# EAGLE board working (EAGLE 9.6.2), part 24 of 28
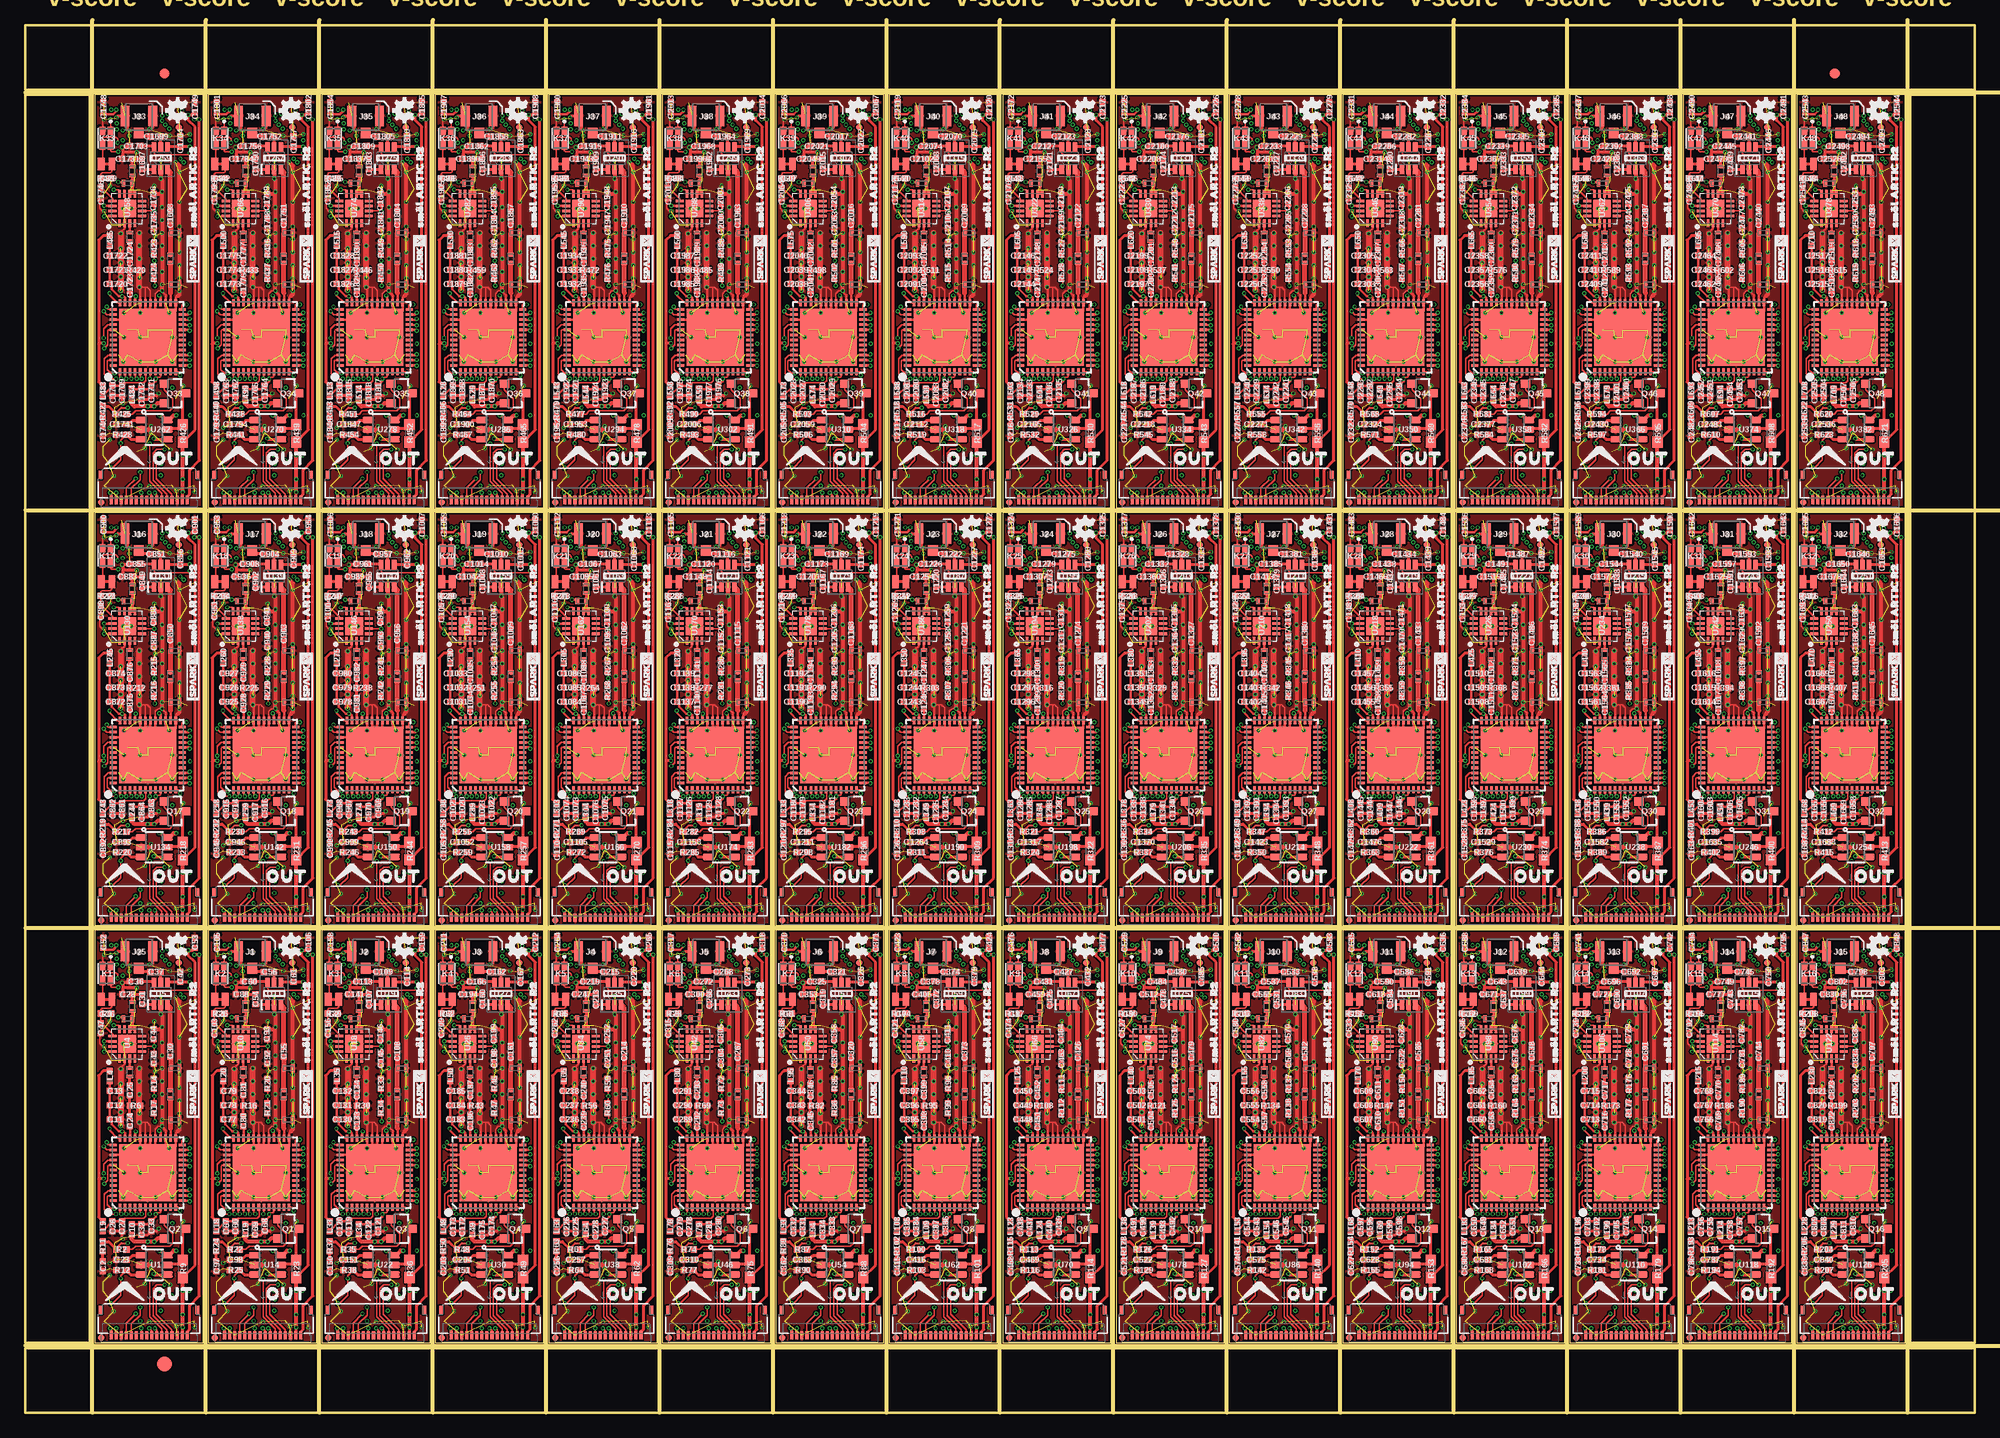
[diagram p0: board, top side]
## Tracks (layer width: path | path; a pad name or v marks a point on that pad's centre or on a via) (continued)
PD25  (via drill 0.2) (continued)
  Top 0.152: C1365.1 113.28,77.86 v113.28,77.22 113.28,76.57 C1364.2 | R333.2 113.28,71.68 v113.28,72.33 113.28,72.97 R332.2 | U202.6 v113.28,77.22
  Top 0.254: U202.6 | 113.17,76.46 C1364.2 | v113.28,77.22
  Route15 0.152: v113.28,77.22 112.94,76.87 112.94,72.67 v113.28,72.33
PD26  (via drill 0.2)
  Top 0.152: C1418.1 124.46,77.86 v124.46,77.22 124.46,76.57 C1417.2 | R346.2 124.46,71.68 v124.46,72.33 124.46,72.97 R345.2 | U210.6 v124.46,77.22
  Top 0.254: U210.6 | 124.34,76.46 C1417.2 | v124.46,77.22
  Route15 0.152: v124.46,77.22 124.12,76.87 124.12,72.67 v124.46,72.33
PD27  (via drill 0.2)
  Top 0.152: C1471.1 135.64,77.86 v135.64,77.22 135.64,76.57 C1470.2 | R359.2 135.64,71.68 v135.64,72.33 135.64,72.97 R358.2 | U218.6 v135.63,77.22
  Top 0.254: U218.6 | 135.52,76.46 C1470.2 | v135.63,77.22 v135.64,77.22
  Route15 0.152: v135.64,77.22 135.29,76.87 135.29,72.67 v135.64,72.33
PD28  (via drill 0.2)
  Top 0.152: C1524.1 146.81,77.86 v146.81,77.22 146.81,76.57 C1523.2 | R372.2 146.81,71.68 v146.81,72.33 146.81,72.97 R371.2 | U226.6 v146.81,77.22
  Top 0.254: U226.6 | 146.7,76.46 C1523.2 | v146.81,77.22
  Route15 0.152: v146.81,77.22 146.47,76.87 146.47,72.67 v146.81,72.33
PD29  (via drill 0.2)
  Top 0.152: C1577.1 157.99,77.86 v157.99,77.22 157.99,76.57 C1576.2 | R385.2 157.99,71.68 v157.99,72.33 157.99,72.97 R384.2 | U234.6 v157.98,77.22
  Top 0.254: U234.6 | 157.87,76.46 C1576.2 | v157.98,77.22 v157.99,77.22
  Route15 0.152: v157.99,77.22 157.65,76.87 157.65,72.67 v157.99,72.33
PD30  (via drill 0.2)
  Top 0.152: C1630.1 169.16,77.86 v169.16,77.22 169.16,76.57 C1629.2 | R398.2 169.16,71.68 v169.16,72.33 169.16,72.97 R397.2 | U242.6 v169.16,77.22
  Top 0.254: U242.6 | 169.05,76.46 C1629.2 | v169.16,77.22
  Route15 0.152: v169.16,77.22 168.82,76.87 168.82,72.67 v169.16,72.33
PD31  (via drill 0.2)
  Top 0.152: C1683.1 180.34,77.86 v180.34,77.22 180.34,76.57 C1682.2 | R411.2 180.34,71.68 v180.34,72.33 180.34,72.97 R410.2 | U250.6 v180.34,77.22
  Top 0.254: U250.6 | 180.22,76.46 C1682.2 | v180.34,77.22
  Route15 0.152: v180.34,77.22 180,76.87 180,72.67 v180.34,72.33
PD32  (via drill 0.2)
  Top 0.152: C1736.1 12.7,119.01 v12.7,118.36 12.7,117.72 C1735.2 | R424.2 12.7,112.83 v12.7,113.48 12.7,114.12 R423.2 | U258.6 v12.7,118.37
  Top 0.254: U258.6 | 12.59,117.61 C1735.2 | v12.7,118.37 v12.7,118.36
  Route15 0.152: v12.7,118.36 12.36,118.02 12.36,113.82 v12.7,113.48
PD33  (via drill 0.2)
  Top 0.152: C1789.1 23.88,119.01 v23.88,118.36 23.88,117.72 C1788.2 | R437.2 23.88,112.83 v23.88,113.48 23.88,114.12 R436.2 | U266.6 v23.87,118.37
  Top 0.254: U266.6 | 23.76,117.61 C1788.2 | v23.87,118.37 v23.88,118.36
  Route15 0.152: v23.88,118.36 23.53,118.02 23.53,113.82 v23.88,113.48
PD34  (via drill 0.2)
  Top 0.152: C1842.1 35.05,119.01 v35.05,118.36 35.05,117.72 C1841.2 | R450.2 35.05,112.83 v35.05,113.48 35.05,114.12 R449.2 | U274.6 v35.05,118.37
  Top 0.254: U274.6 | 34.94,117.61 C1841.2 | v35.05,118.37 v35.05,118.36
  Route15 0.152: v35.05,118.36 34.71,118.02 34.71,113.82 v35.05,113.48
PD35  (via drill 0.2)
  Top 0.152: C1895.1 46.23,119.01 v46.23,118.36 46.23,117.72 C1894.2 | R463.2 46.23,112.83 v46.23,113.48 46.23,114.12 R462.2 | U282.6 v46.22,118.37
  Top 0.254: U282.6 | 46.11,117.61 C1894.2 | v46.22,118.37 v46.23,118.36
  Route15 0.152: v46.23,118.36 45.88,118.02 45.88,113.82 v46.23,113.48
PD36  (via drill 0.2)
  Top 0.152: C1948.1 57.4,119.01 v57.4,118.36 57.4,117.72 C1947.2 | R476.2 57.4,112.83 v57.4,113.48 57.4,114.12 R475.2 | U290.6 v57.4,118.37
  Top 0.254: U290.6 | 57.29,117.61 C1947.2 | v57.4,118.37 v57.4,118.36
  Route15 0.152: v57.4,118.36 57.06,118.02 57.06,113.82 v57.4,113.48
PD37  (via drill 0.2)
  Top 0.152: C2001.1 68.58,119.01 v68.58,118.36 68.58,117.72 C2000.2 | R489.2 68.58,112.83 v68.58,113.48 68.58,114.12 R488.2 | U298.6 v68.58,118.37
  Top 0.254: U298.6 | 68.47,117.61 C2000.2 | v68.58,118.37 v68.58,118.36
  Route15 0.152: v68.58,118.36 68.24,118.02 68.24,113.82 v68.58,113.48
PD38  (via drill 0.2)
  Top 0.152: C2054.1 79.76,119.01 v79.76,118.36 79.76,117.72 C2053.2 | R502.2 79.76,112.83 v79.76,113.48 79.76,114.12 R501.2 | U306.6 v79.75,118.37
  Top 0.254: U306.6 | 79.64,117.61 C2053.2 | v79.75,118.37 v79.76,118.36
  Route15 0.152: v79.76,118.36 79.41,118.02 79.41,113.82 v79.76,113.48
PD39  (via drill 0.2)
  Top 0.152: C2107.1 90.93,119.01 v90.93,118.36 90.93,117.72 C2106.2 | R515.2 90.93,112.83 v90.93,113.48 90.93,114.12 R514.2 | U314.6 v90.93,118.37
  Top 0.254: U314.6 | 90.82,117.61 C2106.2 | v90.93,118.37 v90.93,118.36
  Route15 0.152: v90.93,118.36 90.59,118.02 90.59,113.82 v90.93,113.48
PD40  (via drill 0.2)
  Top 0.152: C2160.1 102.11,119.01 v102.11,118.36 102.11,117.72 C2159.2 | R528.2 102.11,112.83 v102.11,113.48 102.11,114.12 R527.2 | U322.6 v102.1,118.37
  Top 0.254: U322.6 | 101.99,117.61 C2159.2 | v102.1,118.37 v102.11,118.36
  Route15 0.152: v102.11,118.36 101.77,118.02 101.77,113.82 v102.11,113.48
PD41  (via drill 0.2)
  Top 0.152: C2213.1 113.28,119.01 v113.28,118.36 113.28,117.72 C2212.2 | R541.2 113.28,112.83 v113.28,113.48 113.28,114.12 R540.2 | U330.6 v113.28,118.37
  Top 0.254: U330.6 | 113.17,117.61 C2212.2 | v113.28,118.37 v113.28,118.36
  Route15 0.152: v113.28,118.36 112.94,118.02 112.94,113.82 v113.28,113.48
PD42  (via drill 0.2)
  Top 0.152: C2266.1 124.46,119.01 v124.46,118.36 124.46,117.72 C2265.2 | R554.2 124.46,112.83 v124.46,113.48 124.46,114.12 R553.2 | U338.6 v124.46,118.37
  Top 0.254: U338.6 | 124.34,117.61 C2265.2 | v124.46,118.37 v124.46,118.36
  Route15 0.152: v124.46,118.36 124.12,118.02 124.12,113.82 v124.46,113.48
PD43  (via drill 0.2)
  Top 0.152: C2319.1 135.64,119.01 v135.64,118.36 135.64,117.72 C2318.2 | R567.2 135.64,112.83 v135.64,113.48 135.64,114.12 R566.2 | U346.6 v135.63,118.37
  Top 0.254: U346.6 | 135.52,117.61 C2318.2 | v135.63,118.37 v135.64,118.36
  Route15 0.152: v135.64,118.36 135.29,118.02 135.29,113.82 v135.64,113.48
PD44  (via drill 0.2)
  Top 0.152: C2372.1 146.81,119.01 v146.81,118.36 146.81,117.72 C2371.2 | R580.2 146.81,112.83 v146.81,113.48 146.81,114.12 R579.2 | U354.6 v146.81,118.37
  Top 0.254: U354.6 | 146.7,117.61 C2371.2 | v146.81,118.37 v146.81,118.36
  Route15 0.152: v146.81,118.36 146.47,118.02 146.47,113.82 v146.81,113.48
PD45  (via drill 0.2)
  Top 0.152: C2425.1 157.99,119.01 v157.99,118.36 157.99,117.72 C2424.2 | R593.2 157.99,112.83 v157.99,113.48 157.99,114.12 R592.2 | U362.6 v157.98,118.37
  Top 0.254: U362.6 | 157.87,117.61 C2424.2 | v157.98,118.37 v157.99,118.36
  Route15 0.152: v157.99,118.36 157.65,118.02 157.65,113.82 v157.99,113.48
PD46  (via drill 0.2)
  Top 0.152: C2478.1 169.16,119.01 v169.16,118.36 169.16,117.72 C2477.2 | R606.2 169.16,112.83 v169.16,113.48 169.16,114.12 R605.2 | U370.6 v169.16,118.37
  Top 0.254: U370.6 | 169.05,117.61 C2477.2 | v169.16,118.37 v169.16,118.36
  Route15 0.152: v169.16,118.36 168.82,118.02 168.82,113.82 v169.16,113.48
PD47  (via drill 0.2)
  Top 0.152: C2531.1 180.34,119.01 v180.34,118.36 180.34,117.72 C2530.2 | R619.2 180.34,112.83 v180.34,113.48 180.34,114.12 R618.2 | U378.6 v180.34,118.37
  Top 0.254: U378.6 | 180.22,117.61 C2530.2 | v180.34,118.37 v180.34,118.36
  Route15 0.152: v180.34,118.36 180,118.02 180,113.82 v180.34,113.48
PROC_PWR_EN  (via drill 0.2)
  Top 0.305: OUT.1 15.94,7.94 16.19,8.19 16.19,10.54 17.14,11.49 v17.14,45.08 v16.64,45.08
  Bottom 0.305: v17.14,45.08 16.89,45.08 | 16.89,45.08 v16.64,45.08 | IN.1 15.94,46.16 16.07,46.04 16.64,46.04 16.89,45.78 16.89,45.08
PROC_PWR_EN1  (via drill 0.2)
  Top 0.305: OUT1.1 27.12,7.94 27.37,8.19 27.37,10.54 28.32,11.49 v28.32,45.08 v27.81,45.08
  Bottom 0.305: v28.32,45.08 28.07,45.08 | 28.07,45.08 v27.81,45.08 | IN1.1 27.12,46.16 27.24,46.04 27.81,46.04 28.07,45.78 28.07,45.08
PROC_PWR_EN2  (via drill 0.2)
  Top 0.305: OUT2.1 38.29,7.94 38.54,8.19 38.54,10.54 39.5,11.49 v39.5,45.08 v38.99,45.08
  Bottom 0.305: v39.5,45.08 39.24,45.08 | 39.24,45.08 v38.99,45.08 | IN2.1 38.29,46.16 38.42,46.04 38.99,46.04 39.24,45.78 39.24,45.08
PROC_PWR_EN3  (via drill 0.2)
  Top 0.305: OUT3.1 49.47,7.94 49.72,8.19 49.72,10.54 50.67,11.49 v50.67,45.08 v50.16,45.08
  Bottom 0.305: v50.67,45.08 50.42,45.08 | 50.42,45.08 v50.16,45.08 | IN3.1 49.47,46.16 49.59,46.04 50.16,46.04 50.42,45.78 50.42,45.08
PROC_PWR_EN4  (via drill 0.2)
  Top 0.305: OUT4.1 60.65,7.94 60.9,8.19 60.9,10.54 61.85,11.49 v61.85,45.08 v61.34,45.08
  Bottom 0.305: v61.85,45.08 61.59,45.08 | 61.59,45.08 v61.34,45.08 | IN4.1 60.65,46.16 60.77,46.04 61.34,46.04 61.59,45.78 61.59,45.08
PROC_PWR_EN5  (via drill 0.2)
  Top 0.305: OUT5.1 71.82,7.94 72.07,8.19 72.07,10.54 73.03,11.49 v73.03,45.08 v72.52,45.08
  Bottom 0.305: v73.03,45.08 72.77,45.08 | 72.77,45.08 v72.52,45.08 | IN5.1 71.82,46.16 71.95,46.04 72.52,46.04 72.77,45.78 72.77,45.08
PROC_PWR_EN6  (via drill 0.2)
  Top 0.305: OUT6.1 83,7.94 83.25,8.19 83.25,10.54 84.2,11.49 v84.2,45.08 v83.69,45.08
  Bottom 0.305: v84.2,45.08 83.95,45.08 | 83.95,45.08 v83.69,45.08 | IN6.1 83,46.16 83.12,46.04 83.69,46.04 83.95,45.78 83.95,45.08
PROC_PWR_EN7  (via drill 0.2)
  Top 0.305: OUT7.1 94.17,7.94 94.42,8.19 94.42,10.54 95.38,11.49 v95.38,45.08 v94.87,45.08
  Bottom 0.305: v95.38,45.08 95.12,45.08 | 95.12,45.08 v94.87,45.08 | IN7.1 94.17,46.16 94.3,46.04 94.87,46.04 95.12,45.78 95.12,45.08
PROC_PWR_EN8  (via drill 0.2)
  Top 0.305: OUT8.1 105.35,7.94 105.6,8.19 105.6,10.54 106.55,11.49 v106.55,45.08 v106.05,45.08
  Bottom 0.305: v106.55,45.08 106.3,45.08 | 106.3,45.08 v106.05,45.08 | IN8.1 105.35,46.16 105.47,46.04 106.05,46.04 106.3,45.78 106.3,45.08
PROC_PWR_EN9  (via drill 0.2)
  Top 0.305: OUT9.1 116.53,7.94 116.78,8.19 116.78,10.54 117.73,11.49 v117.73,45.08 v117.22,45.08
  Bottom 0.305: v117.73,45.08 117.48,45.08 | 117.48,45.08 v117.22,45.08 | IN9.1 116.53,46.16 116.65,46.04 117.22,46.04 117.48,45.78 117.48,45.08
PROC_PWR_EN10  (via drill 0.2)
  Top 0.305: OUT10.1 127.7,7.94 127.95,8.19 127.95,10.54 128.91,11.49 v128.91,45.08 v128.4,45.08
  Bottom 0.305: v128.91,45.08 128.65,45.08 | 128.65,45.08 v128.4,45.08 | IN10.1 127.7,46.16 127.83,46.04 128.4,46.04 128.65,45.78 128.65,45.08
PROC_PWR_EN11  (via drill 0.2)
  Top 0.305: OUT11.1 138.88,7.94 139.13,8.19 139.13,10.54 140.08,11.49 v140.08,45.08 v139.57,45.08
  Bottom 0.305: v140.08,45.08 139.83,45.08 | 139.83,45.08 v139.57,45.08 | IN11.1 138.88,46.16 139,46.04 139.57,46.04 139.83,45.78 139.83,45.08
PROC_PWR_EN12  (via drill 0.2)
  Top 0.305: OUT12.1 150.05,7.94 150.3,8.19 150.3,10.54 151.26,11.49 v151.26,45.08 v150.75,45.08
  Bottom 0.305: v151.26,45.08 151,45.08 | 151,45.08 v150.75,45.08 | IN12.1 150.05,46.16 150.18,46.04 150.75,46.04 151,45.78 151,45.08
PROC_PWR_EN13  (via drill 0.2)
  Top 0.305: OUT13.1 161.23,7.94 161.48,8.19 161.48,10.54 162.43,11.49 v162.43,45.08 v161.93,45.08
  Bottom 0.305: v162.43,45.08 162.18,45.08 | 162.18,45.08 v161.93,45.08 | IN13.1 161.23,46.16 161.35,46.04 161.93,46.04 162.18,45.78 162.18,45.08
PROC_PWR_EN14  (via drill 0.2)
  Top 0.305: OUT14.1 172.41,7.94 172.66,8.19 172.66,10.54 173.61,11.49 v173.61,45.08 v173.1,45.08
  Bottom 0.305: v173.61,45.08 173.36,45.08 | 173.36,45.08 v173.1,45.08 | IN14.1 172.41,46.16 172.53,46.04 173.1,46.04 173.36,45.78 173.36,45.08
PROC_PWR_EN15  (via drill 0.2)
  Top 0.305: OUT15.1 183.58,7.94 183.83,8.19 183.83,10.54 184.78,11.49 v184.78,45.08 v184.28,45.08
  Bottom 0.305: v184.78,45.08 184.53,45.08 | 184.53,45.08 v184.28,45.08 | IN15.1 183.58,46.16 183.71,46.04 184.28,46.04 184.53,45.78 184.53,45.08
PROC_PWR_EN16  (via drill 0.2)
  Top 0.305: OUT16.1 15.94,49.09 16.19,49.34 16.19,51.69 17.14,52.64 v17.14,86.23 v16.64,86.23
  Bottom 0.305: v17.14,86.23 16.89,86.23 | 16.89,86.23 v16.64,86.23 | IN16.1 15.94,87.31 16.07,87.19 16.64,87.19 16.89,86.93 16.89,86.23
PROC_PWR_EN17  (via drill 0.2)
  Top 0.305: OUT17.1 27.12,49.09 27.37,49.34 27.37,51.69 28.32,52.64 v28.32,86.23 v27.81,86.23
  Bottom 0.305: v28.32,86.23 28.07,86.23 | 28.07,86.23 v27.81,86.23 | IN17.1 27.12,87.31 27.24,87.19 27.81,87.19 28.07,86.93 28.07,86.23
PROC_PWR_EN18  (via drill 0.2)
  Top 0.305: OUT18.1 38.29,49.09 38.54,49.34 38.54,51.69 39.5,52.64 v39.5,86.23 v38.99,86.23
  Bottom 0.305: v39.5,86.23 39.24,86.23 | 39.24,86.23 v38.99,86.23 | IN18.1 38.29,87.31 38.42,87.19 38.99,87.19 39.24,86.93 39.24,86.23
PROC_PWR_EN19  (via drill 0.2)
  Top 0.305: OUT19.1 49.47,49.09 49.72,49.34 49.72,51.69 50.67,52.64 v50.67,86.23 v50.16,86.23
  Bottom 0.305: v50.67,86.23 50.42,86.23 | 50.42,86.23 v50.16,86.23 | IN19.1 49.47,87.31 49.59,87.19 50.16,87.19 50.42,86.93 50.42,86.23
PROC_PWR_EN20  (via drill 0.2)
  Top 0.305: OUT20.1 60.65,49.09 60.9,49.34 60.9,51.69 61.85,52.64 v61.85,86.23 v61.34,86.23
  Bottom 0.305: v61.85,86.23 61.59,86.23 | 61.59,86.23 v61.34,86.23 | IN20.1 60.65,87.31 60.77,87.19 61.34,87.19 61.59,86.93 61.59,86.23
PROC_PWR_EN21  (via drill 0.2)
  Top 0.305: OUT21.1 71.82,49.09 72.07,49.34 72.07,51.69 73.03,52.64 v73.03,86.23 v72.52,86.23
  Bottom 0.305: v73.03,86.23 72.77,86.23 | 72.77,86.23 v72.52,86.23 | IN21.1 71.82,87.31 71.95,87.19 72.52,87.19 72.77,86.93 72.77,86.23
PROC_PWR_EN22  (via drill 0.2)
  Top 0.305: OUT22.1 83,49.09 83.25,49.34 83.25,51.69 84.2,52.64 v84.2,86.23 v83.69,86.23
  Bottom 0.305: v84.2,86.23 83.95,86.23 | 83.95,86.23 v83.69,86.23 | IN22.1 83,87.31 83.12,87.19 83.69,87.19 83.95,86.93 83.95,86.23
PROC_PWR_EN23  (via drill 0.2)
  Top 0.305: OUT23.1 94.17,49.09 94.42,49.34 94.42,51.69 95.38,52.64 v95.38,86.23 v94.87,86.23
  Bottom 0.305: v95.38,86.23 95.12,86.23 | 95.12,86.23 v94.87,86.23 | IN23.1 94.17,87.31 94.3,87.19 94.87,87.19 95.12,86.93 95.12,86.23
PROC_PWR_EN24  (via drill 0.2)
  Top 0.305: OUT24.1 105.35,49.09 105.6,49.34 105.6,51.69 106.55,52.64 v106.55,86.23 v106.05,86.23
  Bottom 0.305: v106.55,86.23 106.3,86.23 | 106.3,86.23 v106.05,86.23 | IN24.1 105.35,87.31 105.47,87.19 106.05,87.19 106.3,86.93 106.3,86.23
PROC_PWR_EN25  (via drill 0.2)
  Top 0.305: OUT25.1 116.53,49.09 116.78,49.34 116.78,51.69 117.73,52.64 v117.73,86.23 v117.22,86.23
  Bottom 0.305: v117.73,86.23 117.48,86.23 | 117.48,86.23 v117.22,86.23 | IN25.1 116.53,87.31 116.65,87.19 117.22,87.19 117.48,86.93 117.48,86.23
PROC_PWR_EN26  (via drill 0.2)
  Top 0.305: OUT26.1 127.7,49.09 127.95,49.34 127.95,51.69 128.91,52.64 v128.91,86.23 v128.4,86.23
  Bottom 0.305: v128.91,86.23 128.65,86.23 | 128.65,86.23 v128.4,86.23 | IN26.1 127.7,87.31 127.83,87.19 128.4,87.19 128.65,86.93 128.65,86.23
PROC_PWR_EN27  (via drill 0.2)
  Top 0.305: OUT27.1 138.88,49.09 139.13,49.34 139.13,51.69 140.08,52.64 v140.08,86.23 v139.57,86.23
  Bottom 0.305: v140.08,86.23 139.83,86.23 | 139.83,86.23 v139.57,86.23 | IN27.1 138.88,87.31 139,87.19 139.57,87.19 139.83,86.93 139.83,86.23
PROC_PWR_EN28  (via drill 0.2)
  Top 0.305: OUT28.1 150.05,49.09 150.3,49.34 150.3,51.69 151.26,52.64 v151.26,86.23 v150.75,86.23
  Bottom 0.305: v151.26,86.23 151,86.23 | 151,86.23 v150.75,86.23 | IN28.1 150.05,87.31 150.18,87.19 150.75,87.19 151,86.93 151,86.23
PROC_PWR_EN29  (via drill 0.2)
  Top 0.305: OUT29.1 161.23,49.09 161.48,49.34 161.48,51.69 162.43,52.64 v162.43,86.23 v161.93,86.23
  Bottom 0.305: v162.43,86.23 162.18,86.23 | 162.18,86.23 v161.93,86.23 | IN29.1 161.23,87.31 161.35,87.19 161.93,87.19 162.18,86.93 162.18,86.23
PROC_PWR_EN30  (via drill 0.2)
  Top 0.305: OUT30.1 172.41,49.09 172.66,49.34 172.66,51.69 173.61,52.64 v173.61,86.23 v173.1,86.23
  Bottom 0.305: v173.61,86.23 173.36,86.23 | 173.36,86.23 v173.1,86.23 | IN30.1 172.41,87.31 172.53,87.19 173.1,87.19 173.36,86.93 173.36,86.23
PROC_PWR_EN31  (via drill 0.2)
  Top 0.305: OUT31.1 183.58,49.09 183.83,49.34 183.83,51.69 184.78,52.64 v184.78,86.23 v184.28,86.23
  Bottom 0.305: v184.78,86.23 184.53,86.23 | 184.53,86.23 v184.28,86.23 | IN31.1 183.58,87.31 183.71,87.19 184.28,87.19 184.53,86.93 184.53,86.23
PROC_PWR_EN32  (via drill 0.2)
  Top 0.305: OUT32.1 15.94,90.24 16.19,90.49 16.19,92.84 17.14,93.79 v17.14,127.38 v16.64,127.38
  Bottom 0.305: v17.14,127.38 16.89,127.38 | 16.89,127.38 v16.64,127.38 | IN32.1 15.94,128.46 16.07,128.33 16.64,128.33 16.89,128.08 16.89,127.38
PROC_PWR_EN33  (via drill 0.2)
  Top 0.305: OUT33.1 27.12,90.24 27.37,90.49 27.37,92.84 28.32,93.79 v28.32,127.38 v27.81,127.38
  Bottom 0.305: v28.32,127.38 28.07,127.38 | 28.07,127.38 v27.81,127.38 | IN33.1 27.12,128.46 27.24,128.33 27.81,128.33 28.07,128.08 28.07,127.38
PROC_PWR_EN34  (via drill 0.2)
  Top 0.305: OUT34.1 38.29,90.24 38.54,90.49 38.54,92.84 39.5,93.79 v39.5,127.38 v38.99,127.38
  Bottom 0.305: v39.5,127.38 39.24,127.38 | 39.24,127.38 v38.99,127.38 | IN34.1 38.29,128.46 38.42,128.33 38.99,128.33 39.24,128.08 39.24,127.38
PROC_PWR_EN35  (via drill 0.2)
  Top 0.305: OUT35.1 49.47,90.24 49.72,90.49 49.72,92.84 50.67,93.79 v50.67,127.38 v50.16,127.38
  Bottom 0.305: v50.67,127.38 50.42,127.38 | 50.42,127.38 v50.16,127.38 | IN35.1 49.47,128.46 49.59,128.33 50.16,128.33 50.42,128.08 50.42,127.38
PROC_PWR_EN36  (via drill 0.2)
  Top 0.305: OUT36.1 60.65,90.24 60.9,90.49 60.9,92.84 61.85,93.79 v61.85,127.38 v61.34,127.38
  Bottom 0.305: v61.85,127.38 61.59,127.38 | 61.59,127.38 v61.34,127.38 | IN36.1 60.65,128.46 60.77,128.33 61.34,128.33 61.59,128.08 61.59,127.38
PROC_PWR_EN37  (via drill 0.2)
  Top 0.305: OUT37.1 71.82,90.24 72.07,90.49 72.07,92.84 73.03,93.79 v73.03,127.38 v72.52,127.38
  Bottom 0.305: v73.03,127.38 72.77,127.38 | 72.77,127.38 v72.52,127.38 | IN37.1 71.82,128.46 71.95,128.33 72.52,128.33 72.77,128.08 72.77,127.38
PROC_PWR_EN38  (via drill 0.2)
  Top 0.305: OUT38.1 83,90.24 83.25,90.49 83.25,92.84 84.2,93.79 v84.2,127.38 v83.69,127.38
  Bottom 0.305: v84.2,127.38 83.95,127.38 | 83.95,127.38 v83.69,127.38 | IN38.1 83,128.46 83.12,128.33 83.69,128.33 83.95,128.08 83.95,127.38
PROC_PWR_EN39  (via drill 0.2)
  Top 0.305: OUT39.1 94.17,90.24 94.42,90.49 94.42,92.84 95.38,93.79 v95.38,127.38 v94.87,127.38
  Bottom 0.305: v95.38,127.38 95.12,127.38 | 95.12,127.38 v94.87,127.38 | IN39.1 94.17,128.46 94.3,128.33 94.87,128.33 95.12,128.08 95.12,127.38
PROC_PWR_EN40  (via drill 0.2)
  Top 0.305: OUT40.1 105.35,90.24 105.6,90.49 105.6,92.84 106.55,93.79 v106.55,127.38 v106.05,127.38
  Bottom 0.305: v106.55,127.38 106.3,127.38 | 106.3,127.38 v106.05,127.38 | IN40.1 105.35,128.46 105.47,128.33 106.05,128.33 106.3,128.08 106.3,127.38
PROC_PWR_EN41  (via drill 0.2)
  Top 0.305: OUT41.1 116.53,90.24 116.78,90.49 116.78,92.84 117.73,93.79 v117.73,127.38 v117.22,127.38
  Bottom 0.305: v117.73,127.38 117.48,127.38 | 117.48,127.38 v117.22,127.38 | IN41.1 116.53,128.46 116.65,128.33 117.22,128.33 117.48,128.08 117.48,127.38
PROC_PWR_EN42  (via drill 0.2)
  Top 0.305: OUT42.1 127.7,90.24 127.95,90.49 127.95,92.84 128.91,93.79 v128.91,127.38 v128.4,127.38
  Bottom 0.305: v128.91,127.38 128.65,127.38 | 128.65,127.38 v128.4,127.38 | IN42.1 127.7,128.46 127.83,128.33 128.4,128.33 128.65,128.08 128.65,127.38
PROC_PWR_EN43  (via drill 0.2)
  Top 0.305: OUT43.1 138.88,90.24 139.13,90.49 139.13,92.84 140.08,93.79 v140.08,127.38 v139.57,127.38
  Bottom 0.305: v140.08,127.38 139.83,127.38 | 139.83,127.38 v139.57,127.38 | IN43.1 138.88,128.46 139,128.33 139.57,128.33 139.83,128.08 139.83,127.38
PROC_PWR_EN44  (via drill 0.2)
  Top 0.305: OUT44.1 150.05,90.24 150.3,90.49 150.3,92.84 151.26,93.79 v151.26,127.38 v150.75,127.38
  Bottom 0.305: v151.26,127.38 151,127.38 | 151,127.38 v150.75,127.38 | IN44.1 150.05,128.46 150.18,128.33 150.75,128.33 151,128.08 151,127.38
PROC_PWR_EN45  (via drill 0.2)
  Top 0.305: OUT45.1 161.23,90.24 161.48,90.49 161.48,92.84 162.43,93.79 v162.43,127.38 v161.93,127.38
  Bottom 0.305: v162.43,127.38 162.18,127.38 | 162.18,127.38 v161.93,127.38 | IN45.1 161.23,128.46 161.35,128.33 161.93,128.33 162.18,128.08 162.18,127.38
PROC_PWR_EN46  (via drill 0.2)
  Top 0.305: OUT46.1 172.41,90.24 172.66,90.49 172.66,92.84 173.61,93.79 v173.61,127.38 v173.1,127.38
  Bottom 0.305: v173.61,127.38 173.36,127.38 | 173.36,127.38 v173.1,127.38 | IN46.1 172.41,128.46 172.53,128.33 173.1,128.33 173.36,128.08 173.36,127.38
PROC_PWR_EN47  (via drill 0.2)
  Top 0.305: OUT47.1 183.58,90.24 183.83,90.49 183.83,92.84 184.78,93.79 v184.78,127.38 v184.28,127.38
  Bottom 0.305: v184.78,127.38 184.53,127.38 | 184.53,127.38 v184.28,127.38 | IN47.1 183.58,128.46 183.71,128.33 184.28,128.33 184.53,128.08 184.53,127.38
RESETB  (via drill 0.2)
  Top 0.152: U3.1 9.31,19.68 v9.44,19.56
  Route15 0.127: v9.44,19.56 9.44,19.27 10.61,18.1 10.61,12.27 11.24,11.63 13.89,11.63 14.03,11.49 v14.41,11.49
  Bottom 0.152: U8.1 14.44,11.47 v14.41,11.49 | v9.44,19.56 9.44,18.83 R8.2
RESETB1  (via drill 0.2)
  Top 0.152: U9.1 20.49,19.68 v20.61,19.56
  Route15 0.127: v20.61,19.56 20.61,19.27 21.78,18.1 21.78,12.27 22.42,11.63 25.07,11.63 25.21,11.49 v25.59,11.49
  Bottom 0.152: U16.1 25.62,11.47 v25.59,11.49 | v20.61,19.56 20.61,18.83 R10.2
RESETB2  (via drill 0.2)
  Top 0.152: U17.1 31.67,19.68 v31.79,19.56
  Route15 0.127: v31.79,19.56 31.79,19.27 32.96,18.1 32.96,12.27 33.59,11.63 36.25,11.63 36.38,11.49 v36.77,11.49
  Bottom 0.152: U24.1 36.79,11.47 v36.77,11.49 | v31.79,19.56 31.79,18.83 R27.2
RESETB3  (via drill 0.2)
  Top 0.152: U25.1 42.84,19.68 v42.96,19.56
  Route15 0.127: v42.96,19.56 42.96,19.27 44.13,18.1 44.13,12.27 44.77,11.63 47.42,11.63 47.56,11.49 v47.94,11.49
  Bottom 0.152: U32.1 47.97,11.47 v47.94,11.49 | v42.96,19.56 42.96,18.83 R40.2
RESETB4  (via drill 0.2)
  Top 0.152: U33.1 54.02,19.68 v54.14,19.56
  Route15 0.127: v54.14,19.56 54.14,19.27 55.31,18.1 55.31,12.27 55.95,11.63 58.6,11.63 58.74,11.49 v59.12,11.49
  Bottom 0.152: U40.1 59.15,11.47 v59.12,11.49 | v54.14,19.56 54.14,18.83 R53.2
RESETB5  (via drill 0.2)
  Top 0.152: U41.1 65.2,19.68 v65.32,19.56
  Route15 0.127: v65.32,19.56 65.32,19.27 66.48,18.1 66.48,12.27 67.12,11.63 69.78,11.63 69.91,11.49 v70.3,11.49
  Bottom 0.152: U48.1 70.32,11.47 v70.3,11.49 | v65.32,19.56 65.32,18.83 R66.2
RESETB6  (via drill 0.2)
  Top 0.152: U49.1 76.37,19.68 v76.49,19.56
  Route15 0.127: v76.49,19.56 76.49,19.27 77.66,18.1 77.66,12.27 78.3,11.63 80.95,11.63 81.09,11.49 v81.47,11.49
  Bottom 0.152: U56.1 81.5,11.47 v81.47,11.49 | v76.49,19.56 76.49,18.83 R79.2
RESETB7  (via drill 0.2)
  Top 0.152: U57.1 87.55,19.68 v87.67,19.56
  Route15 0.127: v87.67,19.56 87.67,19.27 88.84,18.1 88.84,12.27 89.48,11.63 92.13,11.63 92.27,11.49 v92.65,11.49
  Bottom 0.152: U64.1 92.67,11.47 v92.65,11.49 | v87.67,19.56 87.67,18.83 R92.2
RESETB8  (via drill 0.2)
  Top 0.152: U65.1 98.72,19.68 v98.84,19.56
  Route15 0.127: v98.84,19.56 98.84,19.27 100.01,18.1 100.01,12.27 100.65,11.63 103.3,11.63 103.44,11.49 v103.82,11.49
  Bottom 0.152: U72.1 103.85,11.47 v103.82,11.49 | v98.84,19.56 98.84,18.83 R105.2
RESETB9  (via drill 0.2)
  Top 0.152: U73.1 109.9,19.68 v110.02,19.56
  Route15 0.127: v110.02,19.56 110.02,19.27 111.19,18.1 111.19,12.27 111.83,11.63 114.48,11.63 114.62,11.49 v115,11.49
  Bottom 0.152: U80.1 115.03,11.47 v115,11.49 | v110.02,19.56 110.02,18.83 R118.2
RESETB10  (via drill 0.2)
  Top 0.152: U81.1 121.08,19.68 v121.2,19.56
  Route15 0.127: v121.2,19.56 121.2,19.27 122.37,18.1 122.37,12.27 123,11.63 125.66,11.63 125.79,11.49 v126.17,11.49
  Bottom 0.152: U88.1 126.2,11.47 v126.17,11.49 | v121.2,19.56 121.2,18.83 R131.2
RESETB11  (via drill 0.2)
  Top 0.152: U89.1 132.25,19.68 v132.37,19.56
  Route15 0.127: v132.37,19.56 132.37,19.27 133.54,18.1 133.54,12.27 134.18,11.63 136.83,11.63 136.97,11.49 v137.35,11.49
  Bottom 0.152: U96.1 137.38,11.47 v137.35,11.49 | v132.37,19.56 132.37,18.83 R144.2
RESETB12  (via drill 0.2)
  Top 0.152: U97.1 143.43,19.68 v143.55,19.56
  Route15 0.127: v143.55,19.56 143.55,19.27 144.72,18.1 144.72,12.27 145.36,11.63 148.01,11.63 148.15,11.49 v148.53,11.49
  Bottom 0.152: U104.1 148.55,11.47 v148.53,11.49 | v143.55,19.56 143.55,18.83 R157.2
RESETB13  (via drill 0.2)
  Top 0.152: U105.1 154.6,19.68 v154.72,19.56
  Route15 0.127: v154.72,19.56 154.72,19.27 155.89,18.1 155.89,12.27 156.53,11.63 159.18,11.63 159.32,11.49 v159.7,11.49
  Bottom 0.152: U112.1 159.73,11.47 v159.7,11.49 | v154.72,19.56 154.72,18.83 R170.2
RESETB14  (via drill 0.2)
  Top 0.152: U113.1 165.78,19.68 v165.9,19.56
  Route15 0.127: v165.9,19.56 165.9,19.27 167.07,18.1 167.07,12.27 167.71,11.63 170.36,11.63 170.5,11.49 v170.88,11.49
  Bottom 0.152: U120.1 170.91,11.47 v170.88,11.49 | v165.9,19.56 165.9,18.83 R183.2
RESETB15  (via drill 0.2)
  Top 0.152: U121.1 176.96,19.68 v177.08,19.56
  Route15 0.127: v177.08,19.56 177.08,19.27 178.25,18.1 178.25,12.27 178.88,11.63 181.53,11.63 181.67,11.49 v182.05,11.49
  Bottom 0.152: U128.1 182.08,11.47 v182.05,11.49 | v177.08,19.56 177.08,18.83 R196.2
RESETB16  (via drill 0.2)
  Top 0.152: U129.1 9.31,60.83 v9.44,60.71
  Route15 0.127: v9.44,60.71 9.44,60.41 10.61,59.25 10.61,53.42 11.24,52.78 13.89,52.78 14.03,52.64 v14.41,52.64
  Bottom 0.152: U136.1 14.44,52.61 v14.41,52.64 | v9.44,60.71 9.44,59.98 R209.2